# Altium PCB Thunderscope_Rev3.PCBDOC (part 1 of 6) (continued)
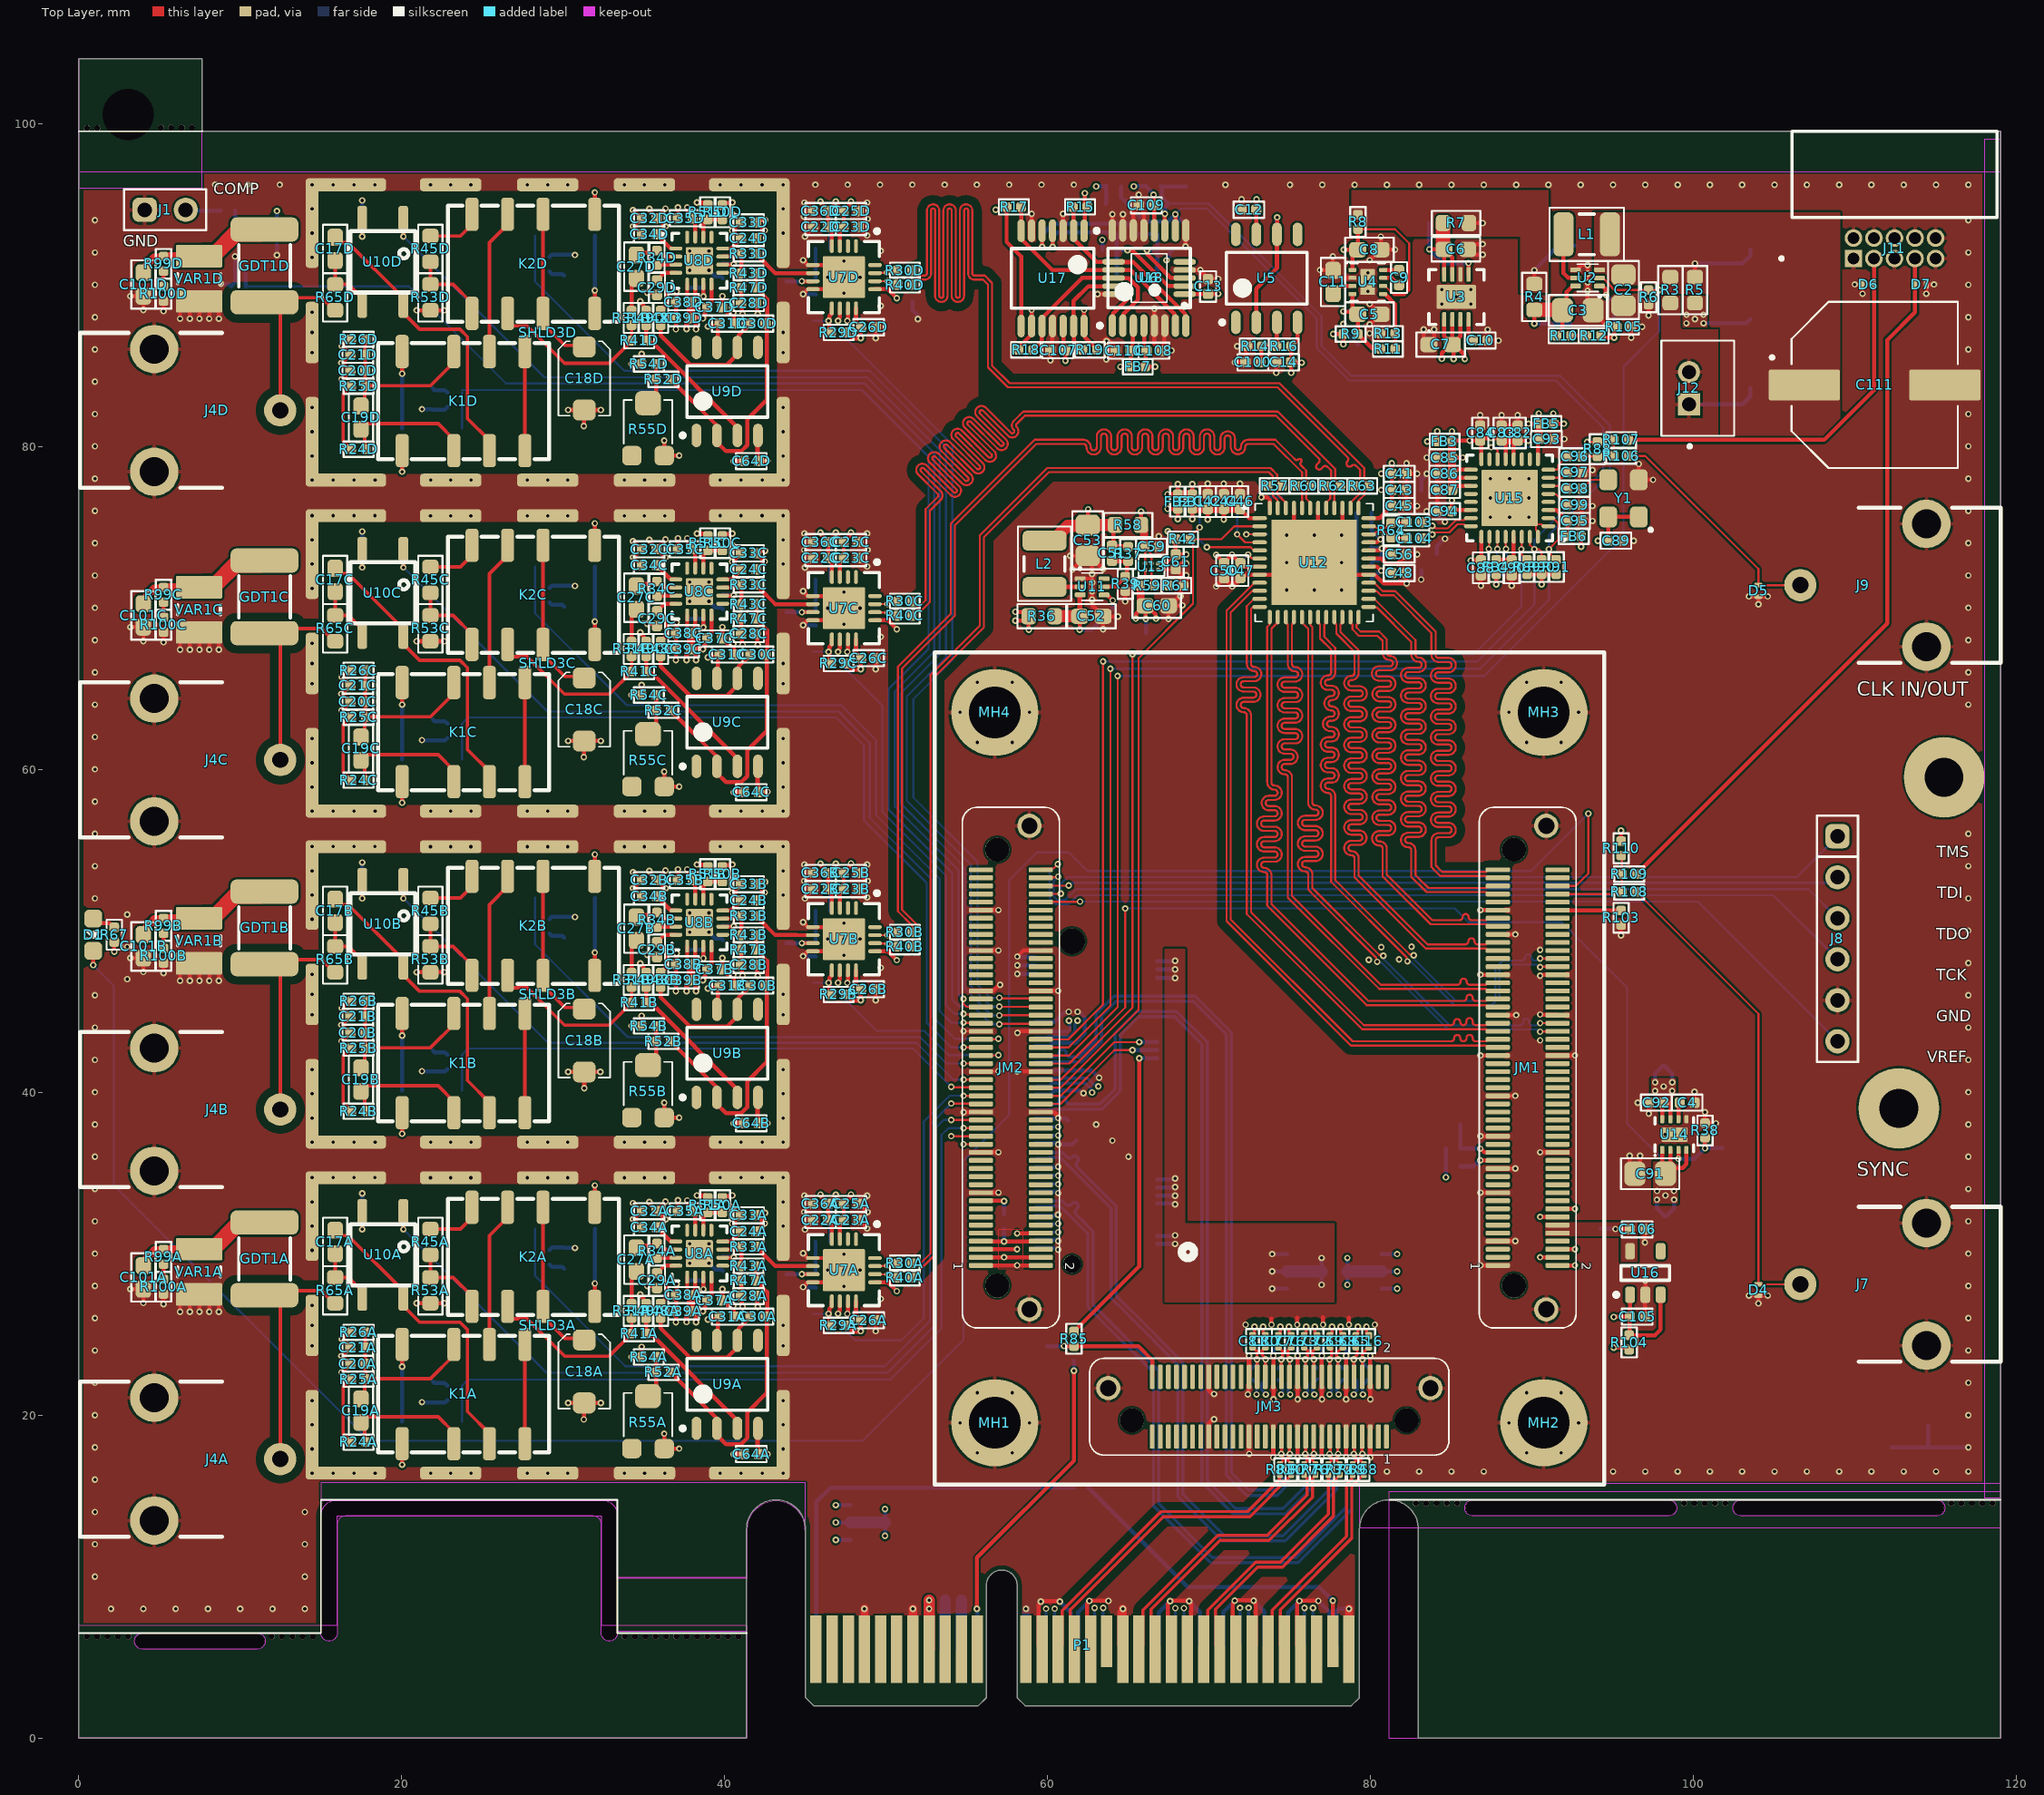
[diagram p0: Top Layer view]
## Classes and differential pairs
net class 50Z: NetGDT1A_1 NetGDT1B_1 NetGDT1C_1 NetGDT1D_1
differential pair class 100Z_Diff: D1A D1B D2A D2B D3A D3B D4A D4B FCLK LCLK
differential pair class PCIe: M2_PER0 M2_PER1 M2_PER2 M2_PER3 M2_PET0 M2_PET1 M2_PET2 M2_PET3 M2_REFCLK MGT_CLK1 MGT_RX0 MGT_RX1 MGT_RX2 MGT_RX3 MGT_TX0 MGT_TX1 MGT_TX2 MGT_TX3 PCIe_PER0 PCIe_PER1 PCIe_PER2 PCIe_PER3 PCIe_PET0 PCIe_PET1 PCIe_PET2 PCIe_PET3 PCIe_REFCLK
net class TERM_[4..1]: TERM_1 TERM_2 TERM_3 TERM_4
differential pair class 100Z_Diff_PGA: CH1 CH2 CH3 CH4
channel class FE_Channel: CH1 CH2 CH3 CH4
net class PGA_CSn_[4..1]: PGA_CSn_1 PGA_CSn_2 PGA_CSn_3 PGA_CSn_4
net class DC_CPL_[4..1]: DC_CPL_1 DC_CPL_2 DC_CPL_3 DC_CPL_4
net class ATTEN_[4..1]: ATTEN_1 ATTEN_2 ATTEN_3 ATTEN_4
component class PLL: C82 C83 C84 C85 C86 C87 C88 C89 C90 C93 C94 C95 C96 C97 C98 C99 FB5 FB6 R88 R89 R90 R91 R92 R93 R94 TP42 TP43 TP44 U15 Y1
component class PCIe_X4: P1 R86 R87 TP40 TP41
component class M.2_Key_M: J10 R95 TP45 TP46
component class "Front End": C5 C6 C7 C8 C9 C10 C11 C12 C13 C14 C100 C107 C108 C109 C110 FB7 Q1 Q2 R7 R8 R9 R11 R13 R14 R15 R16 R17 R18 R19 R20 R21 R22 R23 TP9 TP10 TP11 TP12 TP13 TP15 TP16 TP17 TP19 TP20 TP21 U3 U4 U5 U6 U17 U18
component class "FPGA Module": C15 C16 C40 C62 C65 C66 C67 C68 C69 C70 C71 C72 C73 C74 C75 C76 C77 C79 C80 C81 C105 C106 D1 J8 JM1 JM2 JM3 MH1 MH2 MH3 MH4 R66 R67 R68 R69 R70 R71 R72 R73 R74 R75 R76 R77 R78 R79 R80 R81 R82 R83 R84 R85 R101 R102 R103 R104 TP2 TP14 TP30 TP31 TP39 U16
component class "Edge Connector": P1
component class CH4: C17D C18D C19D C20D C21D C22D C23D C24D C25D C26D C27D C28D C29D C30D C31D C32D C33D C34D C35D C36D C37D C38D C39D C63D C64D C78D C101D C102D D2D D3D GDT1D J2D J3D J4D K1D K2D Q3D Q4D R24D R25D R26D R27D R28D R29D R30D R31D R32D R33D R34D R35D R40D R41D R43D R45D R47D R48D R49D R50D R51D R52D R53D R54D R55D R56D R65D R96D R97D R98D R99D R100D SHLD3D TP22D TP23D TP24D TP25D TP26D U7D U8D U9D U10D VAR1D
component class CH3: C17C C18C C19C C20C C21C C22C C23C C24C C25C C26C C27C C28C C29C C30C C31C C32C C33C C34C C35C C36C C37C C38C C39C C63C C64C C78C C101C C102C D2C D3C GDT1C J2C J3C J4C K1C K2C Q3C Q4C R24C R25C R26C R27C R28C R29C R30C R31C R32C R33C R34C R35C R40C R41C R43C R45C R47C R48C R49C R50C R51C R52C R53C R54C R55C R56C R65C R96C R97C R98C R99C R100C SHLD3C TP22C TP23C TP24C TP25C TP26C U7C U8C U9C U10C VAR1C
component class CH2: C17B C18B C19B C20B C21B C22B C23B C24B C25B C26B C27B C28B C29B C30B C31B C32B C33B C34B C35B C36B C37B C38B C39B C63B C64B C78B C101B C102B D2B D3B GDT1B J2B J3B J4B K1B K2B Q3B Q4B R24B R25B R26B R27B R28B R29B R30B R31B R32B R33B R34B R35B R40B R41B R43B R45B R47B R48B R49B R50B R51B R52B R53B R54B R55B R56B R65B R96B R97B R98B R99B R100B SHLD3B TP22B TP23B TP24B TP25B TP26B U7B U8B U9B U10B VAR1B
component class CH1: C17A C18A C19A C20A C21A C22A C23A C24A C25A C26A C27A C28A C29A C30A C31A C32A C33A C34A C35A C36A C37A C38A C39A C63A C64A C78A C101A C102A D2A D3A GDT1A J2A J3A J4A K1A K2A Q3A Q4A R24A R25A R26A R27A R28A R29A R30A R31A R32A R33A R34A R35A R40A R41A R43A R45A R47A R48A R49A R50A R51A R52A R53A R54A R55A R56A R65A R96A R97A R98A R99A R100A SHLD3A TP22A TP23A TP24A TP25A TP26A U7A U8A U9A U10A VAR1A
component class ADC: C41 C42 C43 C44 C45 C46 C47 C48 C49 C50 C51 C52 C53 C54 C55 C56 C57 C58 C59 C60 C61 C103 C104 FB1 FB2 FB3 FB4 J5 J6 L2 R36 R37 R39 R42 R44 R46 R57 R58 R59 R60 R61 R62 R63 R64 TP27 TP28 TP29 TP34 TP35 TP36 TP37 TP38 U11 U12 U13
component class Main: C1 C2 C3 C4 C91 C92 C111 D4 D5 D6 D7 J1 J7 J9 J11 J12 L1 R1 R2 R3 R4 R5 R6 R10 R12 R38 R105 R106 R107 R108 R109 R110 TP1 TP3 TP4 TP5 TP6 TP7 TP8 TP18 TP32 TP33 TP47 U1 U2 U14
differential pair ADC_CLK_C: +ADC_CLK_C_P -ADC_CLK_C_N
differential pair PCIe_REFCLK: +PCIe_REFCLK_P -PCIe_REFCLK_N
differential pair PCIe_PET3: +PCIe_PET3_P -PCIe_PET3_N
differential pair PCIe_PET2: +PCIe_PET2_P -PCIe_PET2_N
differential pair PCIe_PET1: +PCIe_PET1_P -PCIe_PET1_N
differential pair PCIe_PET0: +PCIe_PET0_P -PCIe_PET0_N
differential pair PCIe_PER3: +PCIe_PER3_P -PCIe_PER3_N
differential pair PCIe_PER2: +PCIe_PER2_P -PCIe_PER2_N
differential pair PCIe_PER1: +PCIe_PER1_P -PCIe_PER1_N
differential pair PCIe_PER0: +PCIe_PER0_P -PCIe_PER0_N
differential pair OUT_RD: +OUT_RD_P -OUT_RD_N
differential pair OUT_RC: +OUT_RC_P -OUT_RC_N
differential pair OUT_RB: +OUT_RB_P -OUT_RB_N
differential pair OUT_RA: +OUT_RA_P -OUT_RA_N
differential pair MGT_TX3: +MGT_TX3_P -MGT_TX3_N
differential pair MGT_TX2: +MGT_TX2_P -MGT_TX2_N
differential pair MGT_TX1: +MGT_TX1_P -MGT_TX1_N
differential pair MGT_TX0: +MGT_TX0_P -MGT_TX0_N
differential pair MGT_RX3: +MGT_RX3_P -MGT_RX3_N
differential pair MGT_RX2: +MGT_RX2_P -MGT_RX2_N
differential pair MGT_RX1: +MGT_RX1_P -MGT_RX1_N
differential pair MGT_RX0: +MGT_RX0_P -MGT_RX0_N
differential pair MGT_CLK1: +MGT_CLK1_P -MGT_CLK1_N
differential pair M2_REFCLK: +M2_REFCLK_P -M2_REFCLK_N
differential pair M2_PET3: +M2_PET3_P -M2_PET3_N
differential pair M2_PET2: +M2_PET2_P -M2_PET2_N
differential pair M2_PET1: +M2_PET1_P -M2_PET1_N
differential pair M2_PET0: +M2_PET0_P -M2_PET0_N
differential pair M2_PER3: +M2_PER3_P -M2_PER3_N
differential pair M2_PER2: +M2_PER2_P -M2_PER2_N
differential pair M2_PER1: +M2_PER1_P -M2_PER1_N
differential pair M2_PER0: +M2_PER0_P -M2_PER0_N
differential pair LCLK: +LCLK_P -LCLK_N
differential pair FCLK: +FCLK_P -FCLK_N
differential pair D4B: +D4B_P -D4B_N
differential pair D4A: +D4A_P -D4A_N
differential pair D3B: +D3B_P -D3B_N
differential pair D3A: +D3A_P -D3A_N
differential pair D2B: +D2B_P -D2B_N
differential pair D2A: +D2A_P -D2A_N
differential pair D1B: +D1B_P -D1B_N
differential pair D1A: +D1A_P -D1A_N
differential pair CH4: +CH4_P -CH4_N
differential pair CH3: +CH3_P -CH3_N
differential pair CH2: +CH2_P -CH2_N
differential pair CH1: +CH1_P -CH1_N
differential pair ADC_CLK: +ADC_CLK_P -ADC_CLK_N

## Components (designator, comment, footprint, x,y, rotation, side; value= is the part's Value field where it differs from the comment)
C1 "100nF" GEN_C_0402 12.275,92.95 r270 bottom
C2 "22uF" GEN_C_0805 95.65,89.675 r90 top
C3 "22uF" GEN_C_0805 92.825,88.425 r180 top
C4 "1nF" GEN_C_0402 99.59,39.35 r180 top
C5 "10uF" GEN_C_0603 79.916,88.176 r180 top
C6 "10uF" GEN_C_0603 85.27,92.2 r180 top
C7 "10uF" GEN_C_0603 84.325,86.3 r0 top
C8 "10uF" GEN_C_0603 79.916,92.176 r180 top
C9 "1uF" GEN_C_0402 81.75,90.45 r90 top
C10 "1nF" GEN_C_0402 86.775,86.55 r180 top
C11 "10uF" GEN_C_0603 77.666,90.176 r270 top
C12 "100nF" GEN_C_0402 72.455,94.65 r180 top
C13 "100nF" GEN_C_0402 69.925,89.9 r270 top
C14 "100nF" GEN_C_0402 74.605,85.2 r0 top
C15 "100nF" GEN_C_0201 79.075,22.55 r90 bottom
C16 "100nF" GEN_C_0201 79.875,24.575 r270 top
C17A "22nF" GEN_C_0603 15.875,30.725 r270 top (schematic designator C17)
C17B "22nF" GEN_C_0603 15.875,51.225 r270 top (schematic designator C17)
C17C "22nF" GEN_C_0603 15.875,71.725 r270 top (schematic designator C17)
C17D "22nF" GEN_C_0603 15.875,92.225 r270 top (schematic designator C17)
C18A "5.5-20pF" EW_TRIMCAP 31.3,22.7 r0 top (schematic designator C18)
C18B "5.5-20pF" EW_TRIMCAP 31.3,43.2 r0 top (schematic designator C18)
C18C "5.5-20pF" EW_TRIMCAP 31.3,63.7 r0 top (schematic designator C18)
C18D "5.5-20pF" EW_TRIMCAP 31.3,84.2 r0 top (schematic designator C18)
C19A "10pF" GEN_C_0603 17.475,20.275 r270 top (schematic designator C19)
C19B "10pF" GEN_C_0603 17.475,40.775 r270 top (schematic designator C19)
C19C "10pF" GEN_C_0603 17.475,61.275 r270 top (schematic designator C19)
C19D "10pF" GEN_C_0603 17.475,81.775 r270 top (schematic designator C19)
C20A "680pF" GEN_C_0402 17.275,23.175 r0 top (schematic designator C20)
C20B "680pF" GEN_C_0402 17.275,43.675 r0 top (schematic designator C20)
C20C "680pF" GEN_C_0402 17.275,64.175 r0 top (schematic designator C20)
C20D "680pF" GEN_C_0402 17.275,84.675 r0 top (schematic designator C20)
C21A "300pF" GEN_C_0402 17.275,24.175 r0 top (schematic designator C21)
C21B "300pF" GEN_C_0402 17.275,44.675 r0 top (schematic designator C21)
C21C "300pF" GEN_C_0402 17.275,65.175 r0 top (schematic designator C21)
C21D "300pF" GEN_C_0402 17.275,85.675 r0 top (schematic designator C21)
C22A "1nF" GEN_C_0402 45.925,32.075 r0 top (schematic designator C22)
C22B "1nF" GEN_C_0402 45.925,52.575 r0 top (schematic designator C22)
C22C "1nF" GEN_C_0402 45.925,73.075 r0 top (schematic designator C22)
C22D "1nF" GEN_C_0402 45.925,93.575 r0 top (schematic designator C22)
C23A "10nF" GEN_C_0402 47.825,32.075 r180 top (schematic designator C23)
C23B "10nF" GEN_C_0402 47.825,52.575 r180 top (schematic designator C23)
C23C "10nF" GEN_C_0402 47.825,73.075 r180 top (schematic designator C23)
C23D "10nF" GEN_C_0402 47.825,93.575 r180 top (schematic designator C23)
C24A "100nF" GEN_C_0402 41.475,31.375 r180 top (schematic designator C24)
C24B "100nF" GEN_C_0402 41.475,51.875 r180 top (schematic designator C24)
C24C "100nF" GEN_C_0402 41.475,72.375 r180 top (schematic designator C24)
C24D "100nF" GEN_C_0402 41.475,92.875 r180 top (schematic designator C24)
C25A "1uF" GEN_C_0402 47.825,33.075 r180 top (schematic designator C25)
C25B "1uF" GEN_C_0402 47.825,53.575 r180 top (schematic designator C25)
C25C "1uF" GEN_C_0402 47.825,74.075 r180 top (schematic designator C25)
C25D "1uF" GEN_C_0402 47.825,94.575 r180 top (schematic designator C25)
C26A "100nF" GEN_C_0402 48.9,25.875 r180 top (schematic designator C26)
C26B "100nF" GEN_C_0402 48.9,46.375 r180 top (schematic designator C26)
C26C "100nF" GEN_C_0402 48.9,66.875 r180 top (schematic designator C26)
C26D "100nF" GEN_C_0402 48.9,87.375 r180 top (schematic designator C26)
C27A "22nF" GEN_C_0603 34.525,29.625 r270 top (schematic designator C27)
C27B "22nF" GEN_C_0603 34.525,50.125 r270 top (schematic designator C27)
C27C "22nF" GEN_C_0603 34.525,70.625 r270 top (schematic designator C27)
C27D "22nF" GEN_C_0603 34.525,91.125 r270 top (schematic designator C27)
C28A "100nF" GEN_C_0402 41.475,27.375 r0 top (schematic designator C28)
C28B "100nF" GEN_C_0402 41.475,47.875 r0 top (schematic designator C28)
C28C "100nF" GEN_C_0402 41.475,68.375 r0 top (schematic designator C28)
C28D "100nF" GEN_C_0402 41.475,88.875 r0 top (schematic designator C28)
C29A "100pF" GEN_C_0402 35.8,28.325 r90 top (schematic designator C29)
C29B "100pF" GEN_C_0402 35.8,48.825 r90 top (schematic designator C29)
C29C "100pF" GEN_C_0402 35.8,69.325 r90 top (schematic designator C29)
C29D "100pF" GEN_C_0402 35.8,89.825 r90 top (schematic designator C29)
C30A "100pF" GEN_C_0402 42.05,26.1 r0 top (schematic designator C30)
C30B "100pF" GEN_C_0402 42.05,46.6 r0 top (schematic designator C30)
C30C "100pF" GEN_C_0402 42.05,67.1 r0 top (schematic designator C30)
C30D "100pF" GEN_C_0402 42.05,87.6 r0 top (schematic designator C30)
C31A "2.2uF" GEN_C_0402 40.15,26.1 r180 top (schematic designator C31)
C31B "2.2uF" GEN_C_0402 40.15,46.6 r180 top (schematic designator C31)
C31C "2.2uF" GEN_C_0402 40.15,67.1 r180 top (schematic designator C31)
C31D "2.2uF" GEN_C_0402 40.15,87.6 r180 top (schematic designator C31)
C32A "100nF" GEN_C_0402 35.325,32.625 r180 top (schematic designator C32)
C32B "100nF" GEN_C_0402 35.325,53.125 r180 top (schematic designator C32)
C32C "100nF" GEN_C_0402 35.325,73.625 r180 top (schematic designator C32)
C32D "100nF" GEN_C_0402 35.325,94.125 r180 top (schematic designator C32)
C33A "100nF" GEN_C_0402 41.475,32.375 r0 top (schematic designator C33)
C33B "100nF" GEN_C_0402 41.475,52.875 r0 top (schematic designator C33)
C33C "100nF" GEN_C_0402 41.475,73.375 r0 top (schematic designator C33)
C33D "100nF" GEN_C_0402 41.475,93.875 r0 top (schematic designator C33)
C34A "100nF" GEN_C_0402 35.325,31.625 r180 top (schematic designator C34)
C34B "100nF" GEN_C_0402 35.325,52.125 r180 top (schematic designator C34)
C34C "100nF" GEN_C_0402 35.325,72.625 r180 top (schematic designator C34)
C34D "100nF" GEN_C_0402 35.325,93.125 r180 top (schematic designator C34)
C35A "100nF" GEN_C_0402 37.55,32.625 r0 top (schematic designator C35)
C35B "100nF" GEN_C_0402 37.55,53.125 r0 top (schematic designator C35)
C35C "100nF" GEN_C_0402 37.55,73.625 r0 top (schematic designator C35)
C35D "100nF" GEN_C_0402 37.55,94.125 r0 top (schematic designator C35)
C36A "100nF" GEN_C_0402 45.925,33.075 r0 top (schematic designator C36)
C36B "100nF" GEN_C_0402 45.925,53.575 r0 top (schematic designator C36)
C36C "100nF" GEN_C_0402 45.925,74.075 r0 top (schematic designator C36)
C36D "100nF" GEN_C_0402 45.925,94.575 r0 top (schematic designator C36)
C37A "100nF" GEN_C_0402 39.375,27.1 r180 top (schematic designator C37)
C37B "100nF" GEN_C_0402 39.375,47.6 r180 top (schematic designator C37)
C37C "100nF" GEN_C_0402 39.375,68.1 r180 top (schematic designator C37)
C37D "100nF" GEN_C_0402 39.375,88.6 r180 top (schematic designator C37)
C38A "100nF" GEN_C_0402 37.45,27.425 r0 top (schematic designator C38)
C38B "100nF" GEN_C_0402 37.45,47.925 r0 top (schematic designator C38)
C38C "100nF" GEN_C_0402 37.45,68.425 r0 top (schematic designator C38)
C38D "100nF" GEN_C_0402 37.45,88.925 r0 top (schematic designator C38)
C39A "100nF" GEN_C_0402 37.45,26.425 r180 top (schematic designator C39)
C39B "100nF" GEN_C_0402 37.45,46.925 r180 top (schematic designator C39)
C39C "100nF" GEN_C_0402 37.45,67.425 r180 top (schematic designator C39)
C39D "100nF" GEN_C_0402 37.45,87.925 r180 top (schematic designator C39)
C40 "100nF" GEN_C_0201 73.475,22.55 r90 bottom
C41 "1uF" GEN_C_0402 81.757,78.3 r180 top
C42 "1uF" GEN_C_0402 69.907,76.577 r270 top
C43 "10nF" GEN_C_0402 81.757,77.3 r180 top
C44 "10nF" GEN_C_0402 70.907,76.577 r270 top
C45 "1nF" GEN_C_0402 81.757,76.3 r180 top
C46 "1nF" GEN_C_0402 71.907,76.577 r270 top
C47 "10nF" GEN_C_0402 71.925,72.3 r90 top
C48 "10nF" GEN_C_0402 81.757,72.15 r180 top
C49 "1uF" GEN_C_0402 79.575,71.775 r0 bottom
C50 "1uF" GEN_C_0402 70.925,72.3 r90 top
C51 "39pF" GEN_C_0402 63.975,73.375 r90 top
C52 "10uF" GEN_C_0603 62.7,69.475 r180 top
C53 "22uF" GEN_C_0805 62.475,74.175 r90 top
C54 "1uF" GEN_C_0402 79.575,73.775 r0 bottom
C55 "10nF" GEN_C_0402 79.575,72.775 r0 bottom
C56 "1nF" GEN_C_0402 81.757,73.3 r180 top
C57 "10nF" GEN_C_0402 79.575,74.825 r0 bottom
C58 "1uF" GEN_C_0402 79.575,75.875 r0 bottom
C59 "100nF" GEN_C_0402 66.425,73.775 r180 top
C60 "10uF" GEN_C_0603 66.75,70.125 r180 top
C61 "2.2uF" GEN_C_0402 67.925,72.85 r90 top
C62 "100nF" GEN_C_0201 79.875,22.55 r90 bottom
C63A "100nF" GEN_C_0402 39.875,29.375 r270 bottom (schematic designator C63)
C63B "100nF" GEN_C_0402 39.875,49.875 r270 bottom (schematic designator C63)
C63C "100nF" GEN_C_0402 39.875,70.375 r270 bottom (schematic designator C63)
C63D "100nF" GEN_C_0402 39.875,90.875 r270 bottom (schematic designator C63)
C64A "100nF" GEN_C_0402 41.645,17.58 r180 top (schematic designator C64)
C64B "100nF" GEN_C_0402 41.645,38.08 r180 top (schematic designator C64)
C64C "100nF" GEN_C_0402 41.645,58.58 r180 top (schematic designator C64)
C64D "100nF" GEN_C_0402 41.645,79.08 r180 top (schematic designator C64)
C65 "100nF" GEN_C_0201 79.075,24.575 r270 top
C66 "100nF" GEN_C_0201 78.275,22.55 r90 bottom
C67 "100nF" GEN_C_0201 77.475,22.55 r90 bottom
C68 "100nF" GEN_C_0201 78.275,24.575 r270 top
C69 "100nF" GEN_C_0201 77.475,24.575 r270 top
C70 "100nF" GEN_C_0201 76.675,22.55 r90 bottom
C71 "100nF" GEN_C_0201 75.875,22.55 r90 bottom
C72 "100nF" GEN_C_0201 76.675,24.575 r270 top
C73 "100nF" GEN_C_0201 75.875,24.575 r270 top
C74 "100nF" GEN_C_0201 75.075,22.55 r90 bottom
C75 "100nF" GEN_C_0201 74.275,22.55 r90 bottom
C76 "100nF" GEN_C_0201 75.075,24.575 r270 top
C77 "100nF" GEN_C_0201 74.275,24.575 r270 top
C78A "2.2uF" GEN_C_0402 37.45,26.425 r0 bottom (schematic designator C78)
C78B "2.2uF" GEN_C_0402 37.45,46.925 r0 bottom (schematic designator C78)
C78C "2.2uF" GEN_C_0402 37.45,67.425 r0 bottom (schematic designator C78)
C78D "2.2uF" GEN_C_0402 37.45,87.925 r0 bottom (schematic designator C78)
C79 "100nF" GEN_C_0201 72.675,22.55 r90 bottom
C80 "100nF" GEN_C_0201 73.475,24.575 r270 top
C81 "100nF" GEN_C_0201 72.675,24.575 r270 top
C82 "1uF" GEN_C_0402 89.1,80.825 r90 top
C83 "1uF" GEN_C_0402 88.1,80.825 r90 top
C84 "1uF" GEN_C_0402 86.775,80.825 r90 top
C85 "1uF" GEN_C_0402 84.575,79.3 r180 top
C86 "1uF" GEN_C_0402 84.575,78.3 r180 top
C87 "1uF" GEN_C_0402 84.575,77.3 r180 top
C88 "1uF" GEN_C_0402 86.825,72.475 r270 top
C89 "1uF" GEN_C_0402 95.175,74.15 r0 top
C90 "1uF" GEN_C_0402 88.725,72.475 r270 top
C91 "22uF" GEN_C_0805 97.3,34.95 r0 top
C92 "1uF" GEN_C_0402 97.675,39.35 r0 top
C93 "1uF" GEN_C_0402 90.875,80.45 r0 top
C94 "1uF" GEN_C_0402 84.571,75.982 r180 top
C95 "1uF" GEN_C_0402 92.625,75.375 r0 top
C96 "100nF" GEN_C_0402 92.625,79.375 r0 top
C97 "100nF" GEN_C_0402 92.625,78.375 r0 top
C98 "100nF" GEN_C_0402 92.625,77.375 r0 top
C99 "100nF" GEN_C_0402 92.625,76.375 r0 top
C100 "100nF" GEN_C_0402 72.7,85.2 r0 top
C101A "22nF" GEN_C_0603 4,28.525 r270 top (schematic designator C101)
C101B "22nF" GEN_C_0603 4,49.025 r270 top (schematic designator C101)
C101C "22nF" GEN_C_0603 4,69.525 r270 top (schematic designator C101)
C101D "22nF" GEN_C_0603 4,90.025 r270 top (schematic designator C101)
C102A "100nF" GEN_C_0402 45.65,28.35 r270 bottom (schematic designator C102)
C102B "100nF" GEN_C_0402 45.65,48.85 r270 bottom (schematic designator C102)
C102C "100nF" GEN_C_0402 45.65,69.35 r270 bottom (schematic designator C102)
C102D "100nF" GEN_C_0402 45.65,89.85 r270 bottom (schematic designator C102)
C103 "100nF" GEN_C_0402 82.675,75.3 r0 top
C104 "100nF" GEN_C_0402 82.675,74.3 r0 top
C105 "1uF" GEN_C_0402 96.5,26.1 r180 top
C106 "1uF" GEN_C_0402 96.5,31.5 r180 top
C107 "100nF" GEN_C_0402 60.625,85.95 r0 top
C108 "100nF" GEN_C_0402 66.575,85.925 r180 top
C109 "100nF" GEN_C_0402 66.1,94.925 r0 top
C110 "100nF" GEN_C_0402 64.675,85.925 r0 top
C111 "1000uF" GEN_C_POLAR_10mm 111.2,83.8 r0 top
D1 "GREEN" LED_0603_LTST-S270K 0.9,49.75 r90 top
D2A "1N4148" GEN_SOD_323 20.025,18.55 r90 bottom (schematic designator D2)
D2B "1N4148" GEN_SOD_323 20.025,39.05 r90 bottom (schematic designator D2)
D2C "1N4148" GEN_SOD_323 20.025,59.55 r90 bottom (schematic designator D2)
D2D "1N4148" GEN_SOD_323 20.025,80.05 r90 bottom (schematic designator D2)
D3A "1N4148" GEN_SOD_323 31.95,32.6 r270 bottom (schematic designator D3)
D3B "1N4148" GEN_SOD_323 31.95,53.1 r270 bottom (schematic designator D3)
D3C "1N4148" GEN_SOD_323 31.95,73.6 r270 bottom (schematic designator D3)
D3D "1N4148" GEN_SOD_323 31.95,94.1 r270 bottom (schematic designator D3)
D4 "TPD1E1B04" TI_X1SON_DPY0002A 104,27.75 r270 top
D5 "TPD1E1B04" TI_X1SON_DPY0002A 104,71.05 r270 top
D6 "TPD1E1B04" TI_X1SON_DPY0002A 110.8,90.025 r180 top
D7 "TPD1E1B04" TI_X1SON_DPY0002A 114.05,90.025 r0 top
FB1 "120@100MHZ" GEN_R_0402 68.95,76.575 r270 top
FB2 "120@100MHZ" GEN_R_0402 68.05,76.575 r270 top
FB3 "120@100MHZ" GEN_R_0402 84.575,80.3 r0 top
FB4 "120@100MHZ" GEN_R_0402 87.775,72.525 r90 top
FB5 "120@100MHZ" GEN_R_0402 90.875,81.4 r180 top
FB6 "120@100MHZ" GEN_R_0402 92.575,74.425 r180 top
FB7 "120@100MHZ" GEN_R_0402 65.575,84.925 r0 top
GDT1A "4532-075-LF" BOU_2051 11.5,29.675 r90 top (schematic designator GDT1)
GDT1B "4532-075-LF" BOU_2051 11.5,50.175 r90 top (schematic designator GDT1)
GDT1C "4532-075-LF" BOU_2051 11.5,70.675 r90 top (schematic designator GDT1)
GDT1D "4532-075-LF" BOU_2051 11.5,91.175 r90 top (schematic designator GDT1)
J1 "TSW-101-08-F-D-RA" GEN_2.54mm_1x2_Pin_TH_RA 5.35,94.65 r0 top
J2A "UFL" TE_2334884-1 50.65,27.45 r0 bottom (schematic designator J2)
J2B "UFL" TE_2334884-1 50.65,47.95 r0 bottom (schematic designator J2)
J2C "UFL" TE_2334884-1 50.65,68.45 r0 bottom (schematic designator J2)
J2D "UFL" TE_2334884-1 50.65,88.95 r0 bottom (schematic designator J2)
J3A "UFL" TE_2334884-1 50.631,30.416 r180 bottom (schematic designator J3)
J3B "UFL" TE_2334884-1 50.631,50.916 r180 bottom (schematic designator J3)
J3C "UFL" TE_2334884-1 50.631,71.416 r180 bottom (schematic designator J3)
J3D "UFL" TE_2334884-1 50.631,91.916 r180 bottom (schematic designator J3)
J4A "BNC" MOL_0731000105 8.575,17.275 r90 top locked (schematic designator J4)
J4B "BNC" MOL_0731000105 8.575,38.925 r90 top locked (schematic designator J4)
J4C "BNC" MOL_0731000105 8.575,60.575 r90 top locked (schematic designator J4)
J4D "BNC" MOL_0731000105 8.575,82.225 r90 top locked (schematic designator J4)
J5 "UFL" TE_2334884-1 83.125,73.325 r0 bottom
J6 "UFL" TE_2334884-1 83.125,76.275 r180 bottom
J7 "BNC" MOL_0731000105 110.5,28.1 r270 top locked
J8 "2.54mm 6 Pin TH" GEN_2.54mm_6_Pin_TH_RA 108.9,49.5 r270 top
J9 "BNC" MOL_0731000105 110.5,71.4 r270 top locked
J10 "CONN M.2 Key M FEMALE" TE_M2_KEYM_2199230 63,39.35 r90 bottom locked
J11 "1.27mm 6 Pin TH" GEN_1.27mm_2x5_Pin_TH_RA 112.43,92.265 r0 top
J12 "B2B-PH-K-S(LF)(SN)" JST_B2B-PH-K-S(LF)(SN) 100.25,83.6 r270 top
JM1 "LSHM-150-04.0-L-DV-A-S-K-TR" SAM_LSHM-150-XX.X-XX-DV-A-S 89.717,41.521 r270 top locked
JM2 "LSHM-150-04.0-L-DV-A-S-K-TR" SAM_LSHM-150-XX.X-XX-DV-A-S 57.717,41.521 r270 top locked
JM3 "LSHM-130-04.0-L-DV-A-S-K-TR" SAM_LSHM-130-XX.X-XX-DV-A-S 73.718,20.522 r0 top locked
K1A "FTR-B3SA" FUJ_FTR-B3SA 23.825,21.3 r0 top (schematic designator K1)
K1B "FTR-B3SA" FUJ_FTR-B3SA 23.825,41.8 r0 top (schematic designator K1)
K1C "FTR-B3SA" FUJ_FTR-B3SA 23.825,62.3 r0 top (schematic designator K1)
K1D "FTR-B3SA" FUJ_FTR-B3SA 23.825,82.8 r0 top (schematic designator K1)
K2A "FTR-B3SA" FUJ_FTR-B3SA 28.15,29.8 r180 top (schematic designator K2)
K2B "FTR-B3SA" FUJ_FTR-B3SA 28.15,50.3 r180 top (schematic designator K2)
K2C "FTR-B3SA" FUJ_FTR-B3SA 28.15,70.8 r180 top (schematic designator K2)
K2D "FTR-B3SA" FUJ_FTR-B3SA 28.15,91.3 r180 top (schematic designator K2)
L1 "1uH" GEN_L_1210 93.375,93.125 r180 top
L2 "1uH" GEN_L_1210 59.8,72.725 r90 top
MH1 "M3" "MH M3" 56.717,19.521 r0 top locked
MH2 "M3" "MH M3" 90.717,19.521 r0 top locked
MH3 "M3" "MH M3" 90.717,63.521 r0 top locked
MH4 "M3" "MH M3" 56.717,63.521 r0 top locked
P1 "PCIeX4-GF-2D-1000-1K-O64" PCIeX4-GF-2D-1000-1K-O64 55.15,5.5 r0 top locked
Q1 "DMN62D0UW" GEN_SOT_323 66.8,94.075 r0 bottom
Q2 "DMN62D0UW" GEN_SOT_323 64.25,94.075 r0 bottom
Q3A "DMN62D0UW" GEN_SOT_323 20.975,21.425 r270 bottom (schematic designator Q3)
Q3B "DMN62D0UW" GEN_SOT_323 20.975,41.925 r270 bottom (schematic designator Q3)
Q3C "DMN62D0UW" GEN_SOT_323 20.975,62.425 r270 bottom (schematic designator Q3)
Q3D "DMN62D0UW" GEN_SOT_323 20.975,82.925 r270 bottom (schematic designator Q3)
Q4A "DMN62D0UW" GEN_SOT_323 31,29.725 r90 bottom (schematic designator Q4)
Q4B "DMN62D0UW" GEN_SOT_323 31,50.225 r90 bottom (schematic designator Q4)
Q4C "DMN62D0UW" GEN_SOT_323 31,70.725 r90 bottom (schematic designator Q4)
Q4D "DMN62D0UW" GEN_SOT_323 31,91.225 r90 bottom (schematic designator Q4)
R1 "0" GEN_R_0402 9.225,94.6 r0 bottom
R2 "10K" GEN_R_0402 9.875,89.9 r0 bottom
R3 "0.01" GEN_R_0603 98.55,89.675 r270 top
R4 "0.01" GEN_R_0603 90.125,89.25 r90 top
R5 "0.01" GEN_R_0603 100.075,89.675 r270 top
R6 "10K" GEN_R_0402 97.2,89.225 r270 top
R7 "0.01" GEN_R_0603 85.28,93.825 r180 top
R8 "0.1" GEN_R_0402 79.2,93.9 r270 top
R9 "0.1" GEN_R_0402 78.75,86.95 r180 top
R10 "681K" GEN_R_0402 91.95,86.85 r180 top
R11 "309K" GEN_R_0402 81.066,86.026 r180 top
R12 "90.9k" GEN_R_0402 93.8,86.85 r180 top
R13 "100k" GEN_R_0402 81.066,86.976 r0 top
R14 "10K" GEN_R_0402 72.815,86.2 r180 top
R15 "2K" GEN_R_0402 62,94.825 r180 top
R16 "10K" GEN_R_0402 74.615,86.2 r180 top
R17 "2K" GEN_R_0402 57.9,94.825 r0 top
R18 "2K" GEN_R_0402 58.65,85.975 r0 top
R19 "2K" GEN_R_0402 62.6,85.975 r180 top
R20 "10K" GEN_R_0402 66.55,96.1 r180 bottom
R21 "10K" GEN_R_0402 64.1,96.1 r180 bottom
R22 "10K" GEN_R_0402 67.225,92.125 r0 bottom
R23 "10K" GEN_R_0402 63.825,92.125 r180 bottom
R24A "309K" GEN_R_0402 17.325,18.325 r180 top (schematic designator R24)
R24B "309K" GEN_R_0402 17.325,38.825 r180 top (schematic designator R24)
R24C "309K" GEN_R_0402 17.325,59.325 r180 top (schematic designator R24)
R24D "309K" GEN_R_0402 17.325,79.825 r180 top (schematic designator R24)
R25A "681K" GEN_R_0402 17.325,22.225 r0 top (schematic designator R25)
R25B "681K" GEN_R_0402 17.325,42.725 r0 top (schematic designator R25)
R25C "681K" GEN_R_0402 17.325,63.225 r0 top (schematic designator R25)
R25D "681K" GEN_R_0402 17.325,83.725 r0 top (schematic designator R25)
R26A "10K" GEN_R_0402 17.325,25.125 r0 top (schematic designator R26)
R26B "10K" GEN_R_0402 17.325,45.625 r0 top (schematic designator R26)
R26C "10K" GEN_R_0402 17.325,66.125 r0 top (schematic designator R26)
R26D "10K" GEN_R_0402 17.325,86.625 r0 top (schematic designator R26)
R27A "10K" GEN_R_0402 23.275,21.825 r0 bottom (schematic designator R27)
R27B "10K" GEN_R_0402 23.275,42.325 r0 bottom (schematic designator R27)
R27C "10K" GEN_R_0402 23.275,62.825 r0 bottom (schematic designator R27)
R27D "10K" GEN_R_0402 23.275,83.325 r0 bottom (schematic designator R27)
R28A "10K" GEN_R_0402 23.275,20.925 r0 bottom (schematic designator R28)
R28B "10K" GEN_R_0402 23.275,41.425 r0 bottom (schematic designator R28)
R28C "10K" GEN_R_0402 23.275,61.925 r0 bottom (schematic designator R28)
R28D "10K" GEN_R_0402 23.275,82.425 r0 bottom (schematic designator R28)
R29A "10K" GEN_R_0402 47.05,25.55 r0 top (schematic designator R29)
R29B "10K" GEN_R_0402 47.05,46.05 r0 top (schematic designator R29)
R29C "10K" GEN_R_0402 47.05,66.55 r0 top (schematic designator R29)
R29D "10K" GEN_R_0402 47.05,87.05 r0 top (schematic designator R29)
R30A "0" GEN_R_0402 51.15,29.4 r0 top (schematic designator R30)
R30B "0" GEN_R_0402 51.15,49.9 r0 top (schematic designator R30)
R30C "0" GEN_R_0402 51.15,70.4 r0 top (schematic designator R30)
R30D "0" GEN_R_0402 51.15,90.9 r0 top (schematic designator R30)
R31A "0" GEN_R_0402 34.225,26.45 r90 top (schematic designator R31)
R31B "0" GEN_R_0402 34.225,46.95 r90 top (schematic designator R31)
R31C "0" GEN_R_0402 34.225,67.45 r90 top (schematic designator R31)
R31D "0" GEN_R_0402 34.225,87.95 r90 top (schematic designator R31)
R32A "100k" GEN_R_0402 37.9,27.875 r270 bottom (schematic designator R32)
R32B "100k" GEN_R_0402 37.9,48.375 r270 bottom (schematic designator R32)
R32C "100k" GEN_R_0402 37.9,68.875 r270 bottom (schematic designator R32)
R32D "100k" GEN_R_0402 37.9,89.375 r270 bottom (schematic designator R32)
R33A "0" GEN_R_0402 41.475,30.425 r0 top (schematic designator R33)
R33B "0" GEN_R_0402 41.475,50.925 r0 top (schematic designator R33)
R33C "0" GEN_R_0402 41.475,71.425 r0 top (schematic designator R33)
R33D "0" GEN_R_0402 41.475,91.925 r0 top (schematic designator R33)
R34A "909k" GEN_R_0402 35.8,30.175 r90 top (schematic designator R34)
R34B "909k" GEN_R_0402 35.8,50.675 r90 top (schematic designator R34)
R34C "909k" GEN_R_0402 35.8,71.175 r90 top (schematic designator R34)
R34D "909k" GEN_R_0402 35.8,91.675 r90 top (schematic designator R34)
R35A "1K" GEN_R_0402 17.555,32.62 r270 bottom (schematic designator R35)
R35B "1K" GEN_R_0402 17.555,53.12 r270 bottom (schematic designator R35)
R35C "1K" GEN_R_0402 17.555,73.62 r270 bottom (schematic designator R35)
R35D "1K" GEN_R_0402 17.555,94.12 r270 bottom (schematic designator R35)
R36 "0.01" GEN_R_0603 59.625,69.475 r0 top
R37 "220K" GEN_R_0402 64.975,73.325 r90 top
R38 "10K" GEN_R_0402 100.7,37.625 r270 top
R39 "100k" GEN_R_0402 64.8,71.475 r90 top
R40A "0" GEN_R_0402 51.15,28.5 r0 top (schematic designator R40)
R40B "0" GEN_R_0402 51.15,49 r0 top (schematic designator R40)
R40C "0" GEN_R_0402 51.15,69.5 r0 top (schematic designator R40)
R40D "0" GEN_R_0402 51.15,90 r0 top (schematic designator R40)
R41A "909k" GEN_R_0402 34.7,25.05 r180 top (schematic designator R41)
R41B "909k" GEN_R_0402 34.7,45.55 r180 top (schematic designator R41)
R41C "909k" GEN_R_0402 34.7,66.05 r180 top (schematic designator R41)
R41D "909k" GEN_R_0402 34.7,86.55 r180 top (schematic designator R41)
R42 "10K" GEN_R_0402 68.375,74.25 r180 top
R43A "90.9k" GEN_R_0402 41.475,29.225 r180 top (schematic designator R43)
R43B "90.9k" GEN_R_0402 41.475,49.725 r180 top (schematic designator R43)
R43C "90.9k" GEN_R_0402 41.475,70.225 r180 top (schematic designator R43)
R43D "90.9k" GEN_R_0402 41.475,90.725 r180 top (schematic designator R43)
R44 "10K" GEN_R_0402 68.375,74.25 r180 bottom
R45A "30" GEN_R_0603 21.775,30.725 r270 top (schematic designator R45)
R45B "30" GEN_R_0603 21.775,51.225 r270 top (schematic designator R45)
R45C "30" GEN_R_0603 21.775,71.725 r270 top (schematic designator R45)
R45D "30" GEN_R_0603 21.775,92.225 r270 top (schematic designator R45)
R46 "10K" GEN_R_0402 71.925,72.3 r270 bottom
R47A "90.9k" GEN_R_0402 41.475,28.325 r0 top (schematic designator R47)
R47B "90.9k" GEN_R_0402 41.475,48.825 r0 top (schematic designator R47)
R47C "90.9k" GEN_R_0402 41.475,69.325 r0 top (schematic designator R47)
R47D "90.9k" GEN_R_0402 41.475,89.825 r0 top (schematic designator R47)
R48A "2K" GEN_R_0402 36.025,26.45 r270 top (schematic designator R48)
R48B "2K" GEN_R_0402 36.025,46.95 r270 top (schematic designator R48)
R48C "2K" GEN_R_0402 36.025,67.45 r270 top (schematic designator R48)
R48D "2K" GEN_R_0402 36.025,87.95 r270 top (schematic designator R48)
R49A "90.9k" GEN_R_0402 35.125,26.45 r270 top (schematic designator R49)
R49B "90.9k" GEN_R_0402 35.125,46.95 r270 top (schematic designator R49)
R49C "90.9k" GEN_R_0402 35.125,67.45 r270 top (schematic designator R49)
R49D "90.9k" GEN_R_0402 35.125,87.95 r270 top (schematic designator R49)
R50A "0" GEN_R_0402 39.85,33 r270 top (schematic designator R50)
R50B "0" GEN_R_0402 39.85,53.5 r270 top (schematic designator R50)
R50C "0" GEN_R_0402 39.85,74 r270 top (schematic designator R50)
R50D "0" GEN_R_0402 39.85,94.5 r270 top (schematic designator R50)
R51A "0" GEN_R_0402 38.95,33 r270 top (schematic designator R51)
R51B "0" GEN_R_0402 38.95,53.5 r270 top (schematic designator R51)
R51C "0" GEN_R_0402 38.95,74 r270 top (schematic designator R51)
R51D "0" GEN_R_0402 38.95,94.5 r270 top (schematic designator R51)
R52A "10K" GEN_R_0402 36.2,22.65 r0 top (schematic designator R52)
R52B "10K" GEN_R_0402 36.2,43.15 r0 top (schematic designator R52)
R52C "10K" GEN_R_0402 36.2,63.65 r0 top (schematic designator R52)
R52D "10K" GEN_R_0402 36.2,84.15 r0 top (schematic designator R52)
R53A "10" GEN_R_0603 21.775,27.725 r90 top (schematic designator R53)
R53B "10" GEN_R_0603 21.775,48.225 r90 top (schematic designator R53)
R53C "10" GEN_R_0603 21.775,68.725 r90 top (schematic designator R53)
R53D "10" GEN_R_0603 21.775,89.225 r90 top (schematic designator R53)
R54A "DNP" GEN_R_0402 35.3,23.6 r0 top (schematic designator R54)
R54B "DNP" GEN_R_0402 35.3,44.1 r0 top (schematic designator R54)
R54C "DNP" GEN_R_0402 35.3,64.6 r0 top (schematic designator R54)
R54D "DNP" GEN_R_0402 35.3,85.1 r0 top (schematic designator R54)
R55A "5K" BOU_3mm_POT 35.25,19.475 r0 top (schematic designator R55)
R55B "5K" BOU_3mm_POT 35.25,39.975 r0 top (schematic designator R55)
R55C "5K" BOU_3mm_POT 35.25,60.475 r0 top (schematic designator R55)
R55D "5K" BOU_3mm_POT 35.25,80.975 r0 top (schematic designator R55)
R56A "10K" GEN_R_0402 28.7,29.325 r180 bottom (schematic designator R56)
R56B "10K" GEN_R_0402 28.7,49.825 r180 bottom (schematic designator R56)
R56C "10K" GEN_R_0402 28.7,70.325 r180 bottom (schematic designator R56)
R56D "10K" GEN_R_0402 28.7,90.825 r180 bottom (schematic designator R56)
R57 "100" GEN_R_0402 74.068,77.55 r180 top
R58 "0.01" GEN_R_0603 64.975,75.125 r0 top
R59 "261K" GEN_R_0402 66.15,71.375 r180 top
R60 "100" GEN_R_0402 75.868,77.55 r180 top
R61 "100k" GEN_R_0402 67.95,71.375 r180 top
R62 "100" GEN_R_0402 77.668,77.55 r180 top
R63 "100" GEN_R_0402 79.468,77.55 r180 top
R64 "100" GEN_R_0402 81.257,74.8 r90 top
R65A "10" GEN_R_0603 15.875,27.725 r90 top (schematic designator R65)
R65B "10" GEN_R_0603 15.875,48.225 r90 top (schematic designator R65)
R65C "10" GEN_R_0603 15.875,68.725 r90 top (schematic designator R65)
R65D "10" GEN_R_0603 15.875,89.225 r90 top (schematic designator R65)
R66 "10K" GEN_R_0402 57.3,32 r270 bottom
R67 "1K" GEN_R_0402 2.2,49.75 r270 top
R68 "0" GEN_R_0201 79.575,16.625 r270 top
R69 "0" GEN_R_0201 78.875,16.625 r270 top
R70 "0" GEN_R_0201 79.575,16.625 r270 bottom
R71 "0" GEN_R_0201 78.875,16.625 r270 bottom
R72 "0" GEN_R_0201 78.075,16.625 r270 top
R73 "0" GEN_R_0201 77.375,16.625 r270 top
R74 "0" GEN_R_0201 78.075,16.625 r270 bottom
R75 "0" GEN_R_0201 77.375,16.625 r270 bottom
R76 "0" GEN_R_0201 76.575,16.625 r270 top
R77 "0" GEN_R_0201 75.875,16.625 r270 top
R78 "0" GEN_R_0201 76.575,16.625 r270 bottom
R79 "0" GEN_R_0201 75.875,16.625 r270 bottom
R80 "0" GEN_R_0201 75.075,16.625 r270 top
R81 "0" GEN_R_0201 74.375,16.625 r270 top
R82 "0" GEN_R_0201 75.075,16.625 r270 bottom
R83 "0" GEN_R_0201 74.375,16.625 r270 bottom
R84 "49.9" GEN_R_0402 61.625,23.825 r270 bottom
R85 "49.9" GEN_R_0402 61.625,24.725 r90 top
R86 "0" GEN_R_0402 62.075,15.5 r0 bottom
R87 "0.01" GEN_R_0603 50.725,13.35 r180 bottom
R88 "0" GEN_R_0402 94.025,79.825 r270 top
R89 "10K" GEN_R_0402 89.675,72.525 r270 top
R90 "10K" GEN_R_0402 90.575,72.525 r270 top
R91 "10K" GEN_R_0402 91.475,72.525 r270 top
R92 "10K" GEN_R_0402 88.725,72.525 r90 bottom
R93 "10K" GEN_R_0402 87.825,72.525 r90 bottom
R94 "10K" GEN_R_0402 86.925,72.525 r90 bottom
R95 "0.01" GEN_R_0603 77.75,28.9 r0 bottom
R96A "10K" GEN_R_0402 28.7,30.225 r180 bottom (schematic designator R96)
R96B "10K" GEN_R_0402 28.7,50.725 r180 bottom (schematic designator R96)
R96C "10K" GEN_R_0402 28.7,71.225 r180 bottom (schematic designator R96)
R96D "10K" GEN_R_0402 28.7,91.725 r180 bottom (schematic designator R96)
R97A "1K" GEN_R_0402 46.075,30.725 r0 bottom (schematic designator R97)
R97B "1K" GEN_R_0402 46.075,51.225 r0 bottom (schematic designator R97)
R97C "1K" GEN_R_0402 46.075,71.725 r0 bottom (schematic designator R97)
R97D "1K" GEN_R_0402 46.075,92.225 r0 bottom (schematic designator R97)
R98A "1K" GEN_R_0402 46.075,29.775 r180 bottom (schematic designator R98)
R98B "1K" GEN_R_0402 46.075,50.275 r180 bottom (schematic designator R98)
R98C "1K" GEN_R_0402 46.075,70.775 r180 bottom (schematic designator R98)
R98D "1K" GEN_R_0402 46.075,91.275 r180 bottom (schematic designator R98)
R99A "909k" GEN_R_0402 5.25,29.8 r90 top (schematic designator R99)
R99B "909k" GEN_R_0402 5.25,50.3 r90 top (schematic designator R99)
R99C "909k" GEN_R_0402 5.25,70.8 r90 top (schematic designator R99)
R99D "909k" GEN_R_0402 5.25,91.3 r90 top (schematic designator R99)
R100A "909k" GEN_R_0402 5.25,27.95 r90 top (schematic designator R100)
R100B "909k" GEN_R_0402 5.25,48.45 r90 top (schematic designator R100)
R100C "909k" GEN_R_0402 5.25,68.95 r90 top (schematic designator R100)
R100D "909k" GEN_R_0402 5.25,89.45 r90 top (schematic designator R100)
R101 "10K" GEN_R_0402 85.1,36.5 r180 bottom
R102 "10K" GEN_R_0402 85.1,35.4 r180 bottom
R103 "10K" GEN_R_0402 95.5,50.8 r90 top
R104 "0.1" GEN_R_0402 96,24.5 r90 top
R105 "100k" GEN_R_0402 95.675,87.4 r180 top
R106 "0" GEN_R_0402 95.5,79.4 r180 top
R107 "0" GEN_R_0402 95.5,80.4 r180 top
R108 "0" GEN_R_0402 96,52.4 r180 top
R109 "0" GEN_R_0402 96,53.5 r180 top
R110 "10K" GEN_R_0402 95.5,55.1 r270 top
SHLD3A "2118728-2" TE_2118728-2 29.031,25.553 r180 top locked (schematic designator SHLD3)
SHLD3B "2118728-2" TE_2118728-2 29.031,46.053 r180 top locked (schematic designator SHLD3)
SHLD3C "2118728-2" TE_2118728-2 29.031,66.553 r180 top locked (schematic designator SHLD3)
SHLD3D "2118728-2" TE_2118728-2 29.031,87.053 r180 top locked (schematic designator SHLD3)
TP1 "5015" KEY_5015 92.375,87.6 r0 bottom
TP2 "PCB" GEN_TP_PCB 85.55,38 r90 bottom
TP3 "5015" KEY_5015 103.5,92.175 r90 bottom
TP4 "5015" KEY_5015 92.375,92.425 r0 bottom
TP5 "5019" KEY_5019 114.5,18 r0 bottom
TP6 "5019" KEY_5019 114.4,83.6 r90 bottom
TP7 "PCB" GEN_TP_PCB 96.65,89.675 r90 bottom
TP8 "5015" KEY_5015 103.5,87.875 r270 bottom
TP9 "PCB" GEN_TP_PCB 83.628,93.825 r180 bottom
TP10 "PCB" GEN_TP_PCB 85.125,86.3 r90 bottom
TP11 "PCB" GEN_TP_PCB 79.175,92.175 r180 bottom
TP12 "PCB" GEN_TP_PCB 79.2,88.35 r180 bottom
TP13 "PCB" GEN_TP_PCB 86.08,93.825 r270 bottom
TP14 "PCB" GEN_TP_PCB 96,24.2 r90 bottom
TP15 "PCB" GEN_TP_PCB 79.2,86.3 r180 bottom
TP16 "PCB" GEN_TP_PCB 74.5,76.85 r270 bottom
TP17 "PCB" GEN_TP_PCB 65.525,84.925 r90 bottom
TP18 "5015" KEY_5015 103.5,83.6 r90 bottom
TP19 "PCB" GEN_TP_PCB 74.175,92.95 r0 bottom
TP20 "PCB" GEN_TP_PCB 64.275,90.7 r90 bottom
TP21 "PCB" GEN_TP_PCB 66.775,90.7 r270 bottom
TP22A "PCB" GEN_TP_PCB 20.095,32.62 r0 bottom (schematic designator TP22)
TP22B "PCB" GEN_TP_PCB 20.095,53.12 r0 bottom (schematic designator TP22)
TP22C "PCB" GEN_TP_PCB 20.095,73.62 r0 bottom (schematic designator TP22)
TP22D "PCB" GEN_TP_PCB 20.095,94.12 r0 bottom (schematic designator TP22)
TP23A "PCB" GEN_TP_PCB 43.8,28.725 r90 bottom (schematic designator TP23)
TP23B "PCB" GEN_TP_PCB 43.8,49.225 r90 bottom (schematic designator TP23)
TP23C "PCB" GEN_TP_PCB 43.8,69.725 r90 bottom (schematic designator TP23)
TP23D "PCB" GEN_TP_PCB 43.8,90.225 r90 bottom (schematic designator TP23)
TP24A "PCB" GEN_TP_PCB 28.25,31.55 r270 bottom (schematic designator TP24)
TP24B "PCB" GEN_TP_PCB 28.25,52.05 r270 bottom (schematic designator TP24)
TP24C "PCB" GEN_TP_PCB 28.25,72.55 r270 bottom (schematic designator TP24)
TP24D "PCB" GEN_TP_PCB 28.25,93.05 r270 bottom (schematic designator TP24)
TP25A "PCB" GEN_TP_PCB 23.725,19.6 r90 bottom (schematic designator TP25)
TP25B "PCB" GEN_TP_PCB 23.725,40.1 r90 bottom (schematic designator TP25)
TP25C "PCB" GEN_TP_PCB 23.725,60.6 r90 bottom (schematic designator TP25)
TP25D "PCB" GEN_TP_PCB 23.725,81.1 r90 bottom (schematic designator TP25)
TP26A "PCB" GEN_TP_PCB 45.475,26.275 r90 bottom (schematic designator TP26)